# Altium PCB Copy of PCB1.PcbDoc (part 1 of 3)
Units mil, origin at the board's own origin, x right, y up, seen from the top; angles counter-clockwise.
Board outline 7240 x 4675 mil, 2 copper layers (Top Layer, Bottom Layer); 302 components, 122 nets, 3182 pads, 49 vias.
Unrouted connection lines stored in the file: 237.
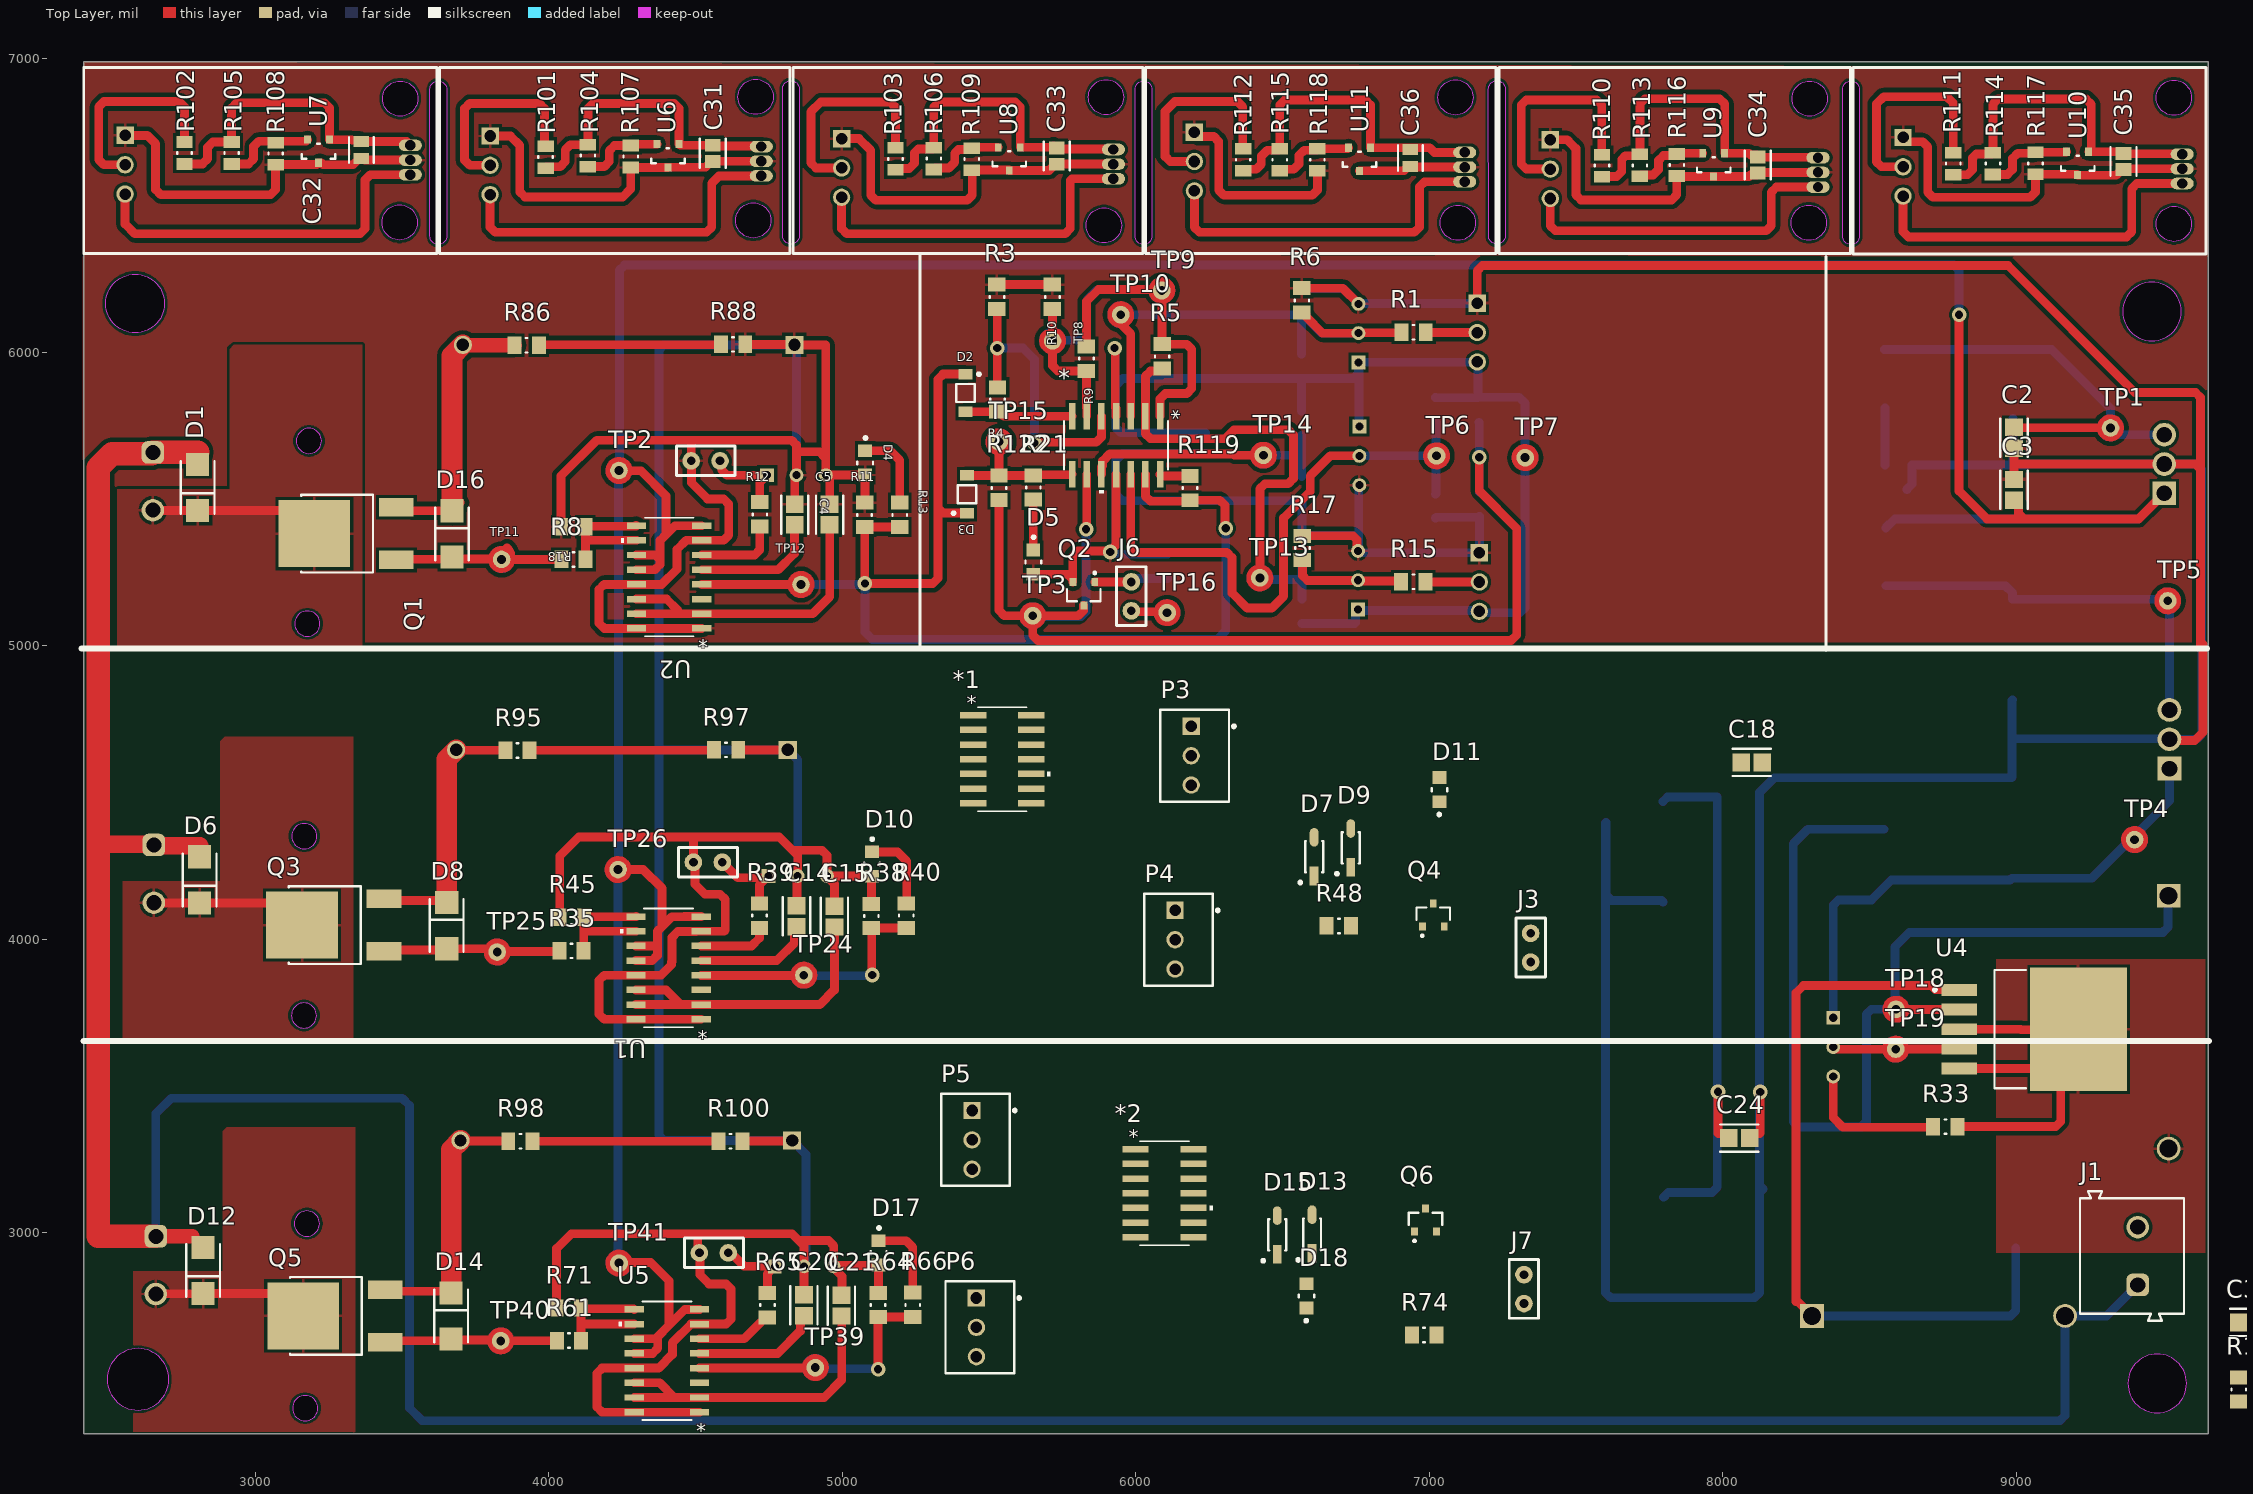
[diagram p0: Top Layer view]
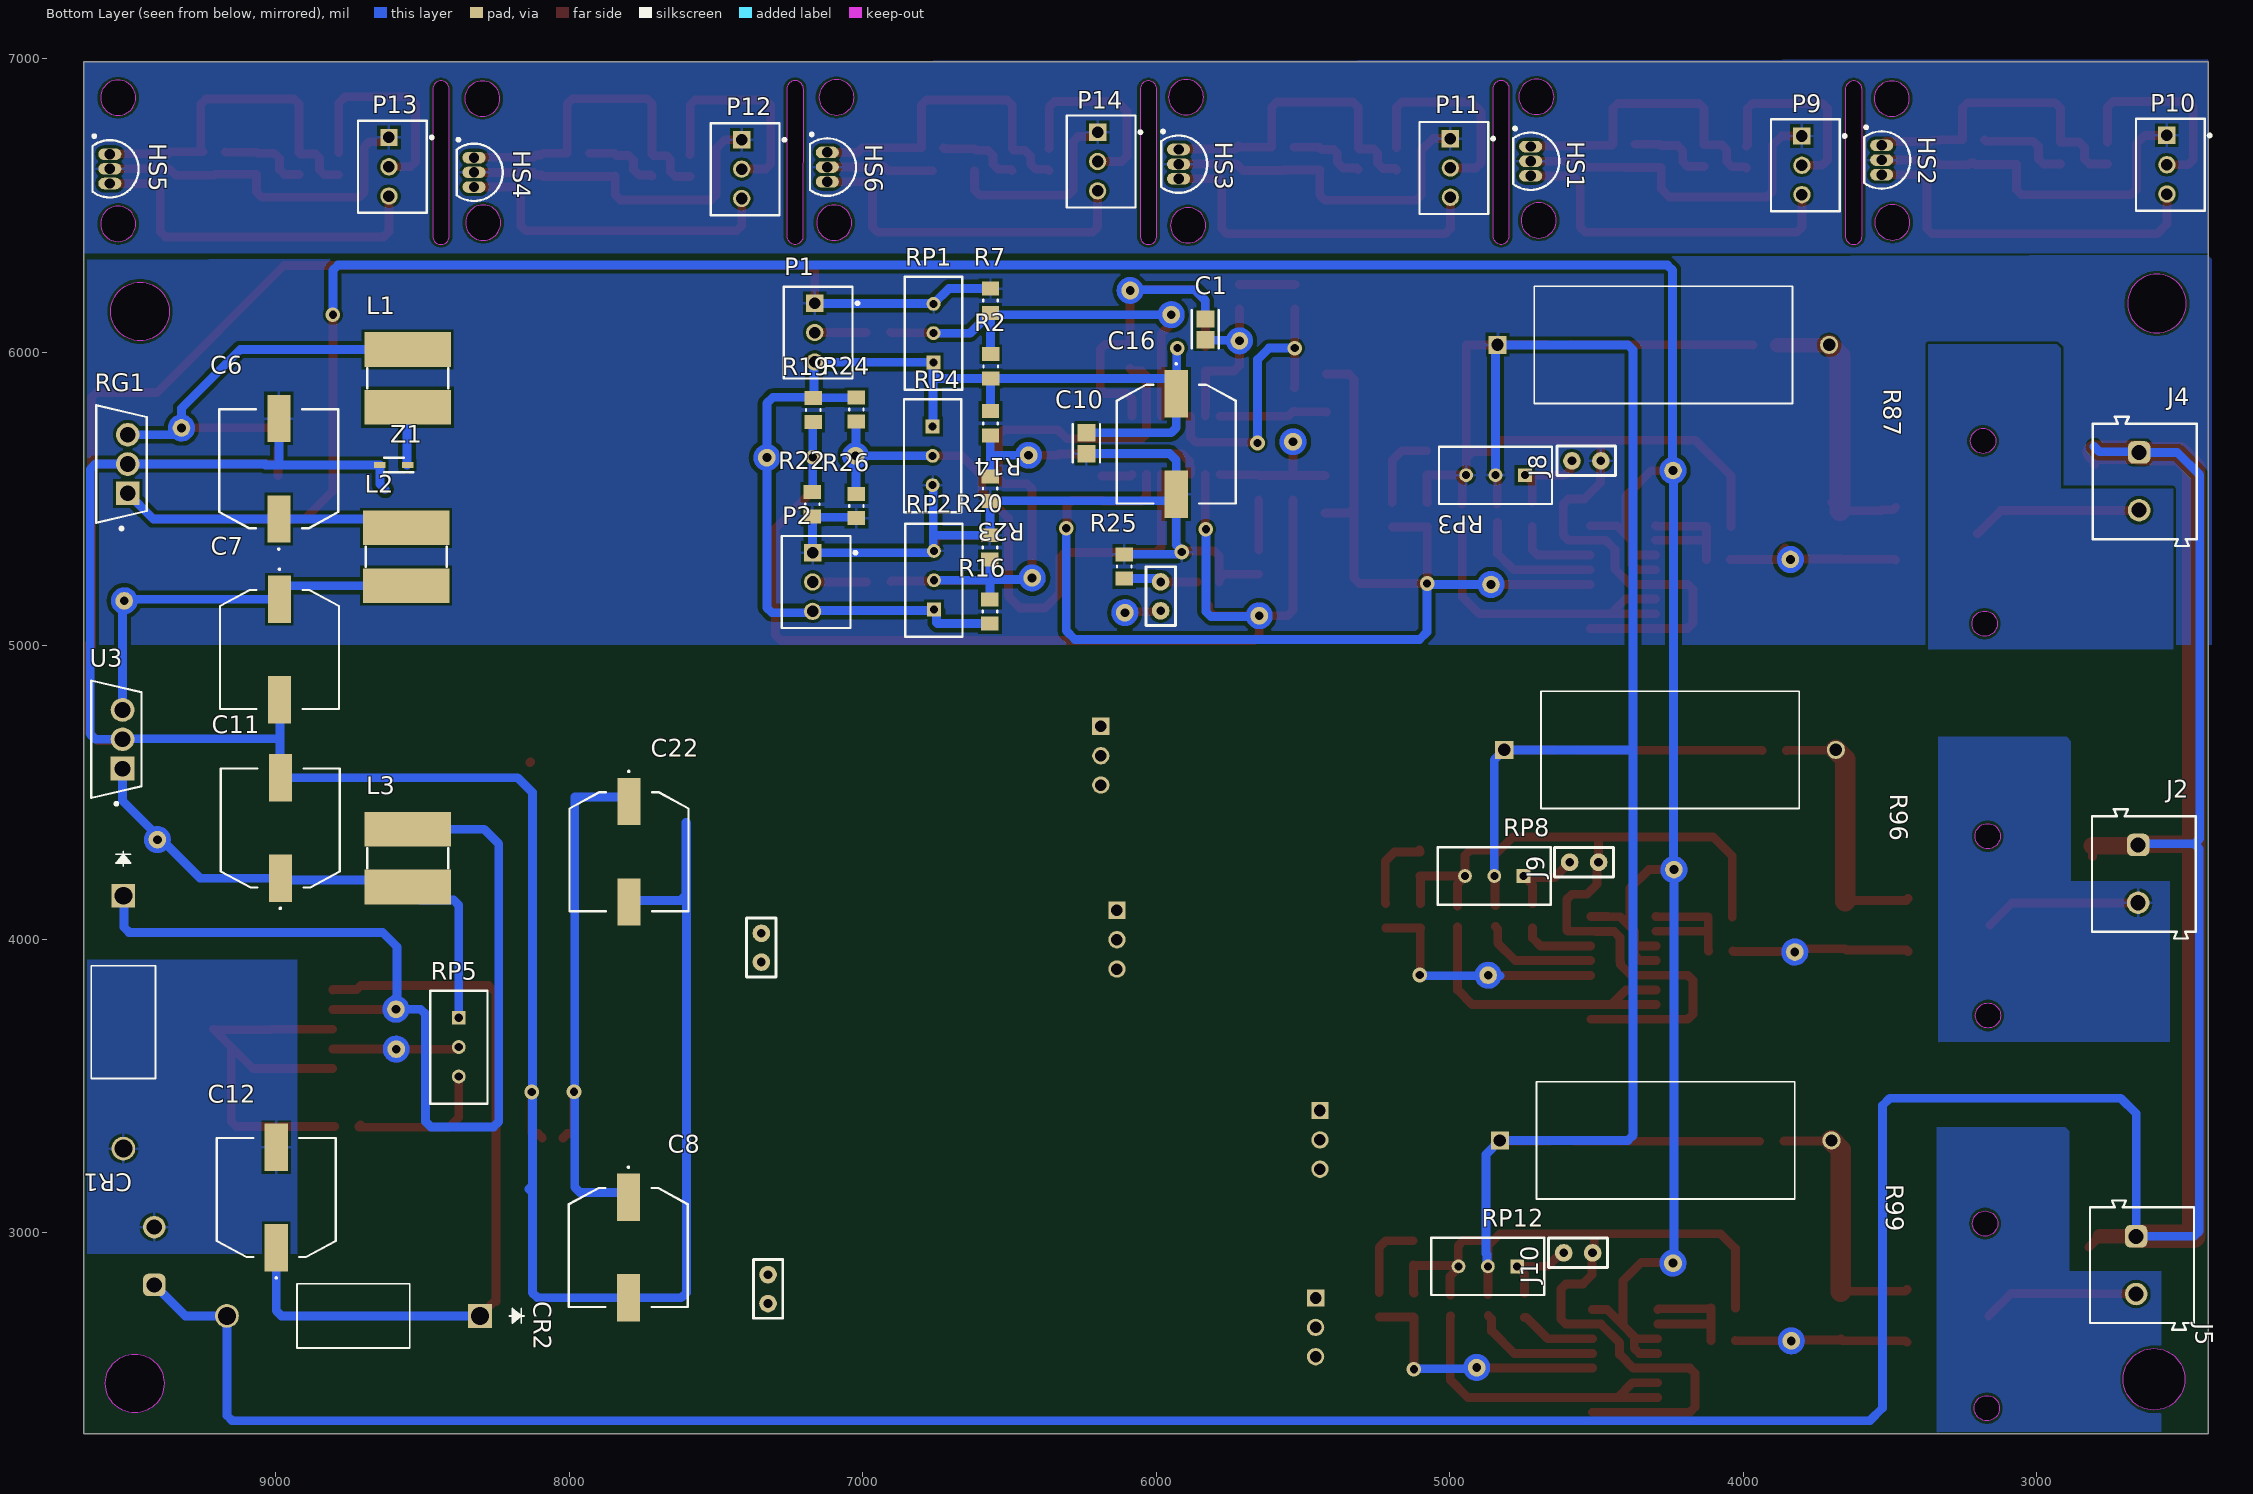
[diagram p1: Bottom Layer view, seen from below]

## Layer stack, top to bottom
Top Solder: solder mask 0.4, Solder Resist, Dk 3.5
Top Layer: signal copper 1.4
Dielectric 1: dielectric 12.6, FR-4, Dk 4.8
Bottom Layer: signal copper 1.4
Bottom Solder: solder mask 0.4, Solder Resist, Dk 3.5

## Board outline
2415,2315 2415,6990 9655,6990 9655,2315
cut-out: 9537.59,6377.32 cw(c9537.59,6437.32) 9477.59,6437.32 cw(c9537.59,6437.32) 9537.59,6497.32 cw(c9537.59,6437.32) 9597.59,6437.32 cw(c9537.59,6437.32)
cut-out: 9537.59,6807.32 cw(c9537.59,6867.32) 9477.59,6867.32 cw(c9537.59,6867.32) 9537.59,6927.32 cw(c9537.59,6867.32) 9597.59,6867.32 cw(c9537.59,6867.32)
cut-out: 8293.59,6381.32 cw(c8293.59,6441.32) 8233.59,6441.32 cw(c8293.59,6441.32) 8293.59,6501.32 cw(c8293.59,6441.32) 8353.59,6441.32 cw(c8293.59,6441.32)
cut-out: 8296.59,6804.32 cw(c8296.59,6864.32) 8236.59,6864.32 cw(c8296.59,6864.32) 8296.59,6924.32 cw(c8296.59,6864.32) 8356.59,6864.32 cw(c8296.59,6864.32)
cut-out: 7097.59,6381.32 cw(c7097.59,6441.32) 7037.59,6441.32 cw(c7097.59,6441.32) 7097.59,6501.32 cw(c7097.59,6441.32) 7157.59,6441.32 cw(c7097.59,6441.32)
cut-out: 7089.59,6808.32 cw(c7089.59,6868.32) 7029.59,6868.32 cw(c7089.59,6868.32) 7089.59,6928.32 cw(c7089.59,6868.32) 7149.59,6868.32 cw(c7089.59,6868.32)
cut-out: 5891.59,6372.32 cw(c5891.59,6432.32) 5831.59,6432.32 cw(c5891.59,6432.32) 5891.59,6492.32 cw(c5891.59,6432.32) 5951.59,6432.32 cw(c5891.59,6432.32)
cut-out: 5898.59,6809.32 cw(c5898.59,6869.32) 5838.59,6869.32 cw(c5898.59,6869.32) 5898.59,6929.32 cw(c5898.59,6869.32) 5958.59,6869.32 cw(c5898.59,6869.32)
cut-out: 4696.59,6389.32 cw(c4696.59,6449.32) 4636.59,6449.32 cw(c4696.59,6449.32) 4696.59,6509.32 cw(c4696.59,6449.32) 4756.59,6449.32 cw(c4696.59,6449.32)
cut-out: 4704.59,6810.32 cw(c4704.59,6870.32) 4644.59,6870.32 cw(c4704.59,6870.32) 4704.59,6930.32 cw(c4704.59,6870.32) 4764.59,6870.32 cw(c4704.59,6870.32)
cut-out: 3491.59,6382.32 cw(c3491.59,6442.32) 3431.59,6442.32 cw(c3491.59,6442.32) 3491.59,6502.32 cw(c3491.59,6442.32) 3551.59,6442.32 cw(c3491.59,6442.32)
cut-out: 3493.59,6804.32 cw(c3493.59,6864.32) 3433.59,6864.32 cw(c3493.59,6864.32) 3493.59,6924.32 cw(c3493.59,6864.32) 3553.59,6864.32 cw(c3493.59,6864.32)
cut-out: 8409.22,6395.79 8409.18,6896.02 cw(c8437.65,6896.02) 8466.12,6895.93 8466.17,6395.79 cw(c8437.69,6395.79)
cut-out: 7202.22,6396.79 7202.18,6897.02 cw(c7230.65,6897.02) 7259.12,6896.93 7259.17,6396.79 cw(c7230.69,6396.79)
cut-out: 5998.22,6395.79 5998.18,6896.02 cw(c6026.65,6896.02) 6055.12,6895.93 6055.17,6395.79 cw(c6026.69,6395.79)
cut-out: 4796.42,6396.79 4796.38,6897.02 cw(c4824.85,6897.02) 4853.32,6896.93 4853.37,6396.79 cw(c4824.89,6396.79)
cut-out: 3594.72,6395.79 3594.68,6896.02 cw(c3623.15,6896.02) 3651.62,6895.93 3651.67,6395.79 cw(c3623.19,6395.79)
cut-out: 9381,2486 ccw(c9481,2486) 9481,2386 ccw(c9481,2486) 9581,2486 ccw(c9481,2486) 9481,2586 ccw(c9481,2486)
cut-out: 9363,6139 ccw(c9463,6139) 9463,6039 ccw(c9463,6139) 9563,6139 ccw(c9463,6139) 9463,6239 ccw(c9463,6139)
cut-out: 3132.53,3030.74 ccw(c3175.54,3030.74) 3175.54,2987.73 ccw(c3175.54,3030.74) 3218.55,3030.74 ccw(c3175.54,3030.74) 3175.54,3073.75 ccw(c3175.54,3030.74)
cut-out: 3122.53,3739.74 ccw(c3165.54,3739.74) 3165.54,3696.73 ccw(c3165.54,3739.74) 3208.55,3739.74 ccw(c3165.54,3739.74) 3165.54,3782.75 ccw(c3165.54,3739.74)
cut-out: 3126.53,2401.74 ccw(c3169.54,2401.74) 3169.54,2358.73 ccw(c3169.54,2401.74) 3212.55,2401.74 ccw(c3169.54,2401.74) 3169.54,2444.75 ccw(c3169.54,2401.74)
cut-out: 3123.53,4350.74 ccw(c3166.54,4350.74) 3166.54,4307.73 ccw(c3166.54,4350.74) 3209.55,4350.74 ccw(c3166.54,4350.74) 3166.54,4393.75 ccw(c3166.54,4350.74)
cut-out: 3139.53,5697.74 ccw(c3182.54,5697.74) 3182.54,5654.73 ccw(c3182.54,5697.74) 3225.55,5697.74 ccw(c3182.54,5697.74) 3182.54,5740.75 ccw(c3182.54,5697.74)
cut-out: 2590,6066 cw(c2590,6166) 2490,6166 cw(c2590,6166) 2590,6266 cw(c2590,6166) 2690,6166 cw(c2590,6166)
cut-out: 2494.88,2500 ccw(c2600,2500) 2600,2394.88 ccw(c2600,2500) 2705.12,2500 ccw(c2600,2500) 2600,2605.12 ccw(c2600,2500)
cut-out: 3133.99,5075 ccw(c3177,5075) 3177,5031.99 ccw(c3177,5075) 3220.01,5075 ccw(c3177,5075) 3177,5118.01 ccw(c3177,5075)

## Design rules (kind name [scope] priority, off if disabled: settings)
Clearance GIroAMp [All] p1: gap=10 ignorepadtopadclearanceinfootprint=FALSE except(0: Arc-Hole Track-Hole SMDPad-Hole THPad-Hole Via-Hole Fill-Hole Poly-Hole Region-Hole Text-Hole; 13: Arc-THPad Track-THPad; 15: Arc-Via Arc-Fill Arc-Poly Arc-Region Track-Via Track-Fill Track-Poly Track-Region; 20: Arc-Arc Arc-Track Track-Track)
Clearance [All] p2: gap=10 ignorepadtopadclearanceinfootprint=FALSE except(0: Arc-Hole Track-Hole SMDPad-Hole THPad-Hole Via-Hole Fill-Hole Poly-Hole Region-Hole Text-Hole; 13: Track-THPad)
PolygonConnect [All] p1: connectstyle=Relief reliefconductorwidth=10 reliefentries=4 polygonreliefangle="90 Angle" airgapwidth=10
RoomDefinition levit_0.1 [InComponentClass('levit_0.1 ')] p1: confinementstyle=ConfineIn formatcopy=TRUE lockcomponents=FALSE outline 574,10579 29224,10579 29224,1361 574,1361
RoutingVias [All] p1: holewidth=28 width=50 viastyle="Through Hole" minholewidth=28 minwidth=50 maxholewidth=28 maxwidth=50
SolderMaskExpansion [All] p1: expansion=4 istentingtop=FALSE
UnRoutedNet [All] p1: checkbadconnections=TRUE
Width [All] p1: maxlimit=90 minlimit=20 preferedwidth=30 minimp=50.000000 maximp=50.000000 favimp=50.000000
29 further rules are at their usual default settings.

## Components (designator, comment, footprint, x,y, rotation, side; value= is the part's Value field where it differs from the comment)
* "LM324AD_SOIC14" D14-M 5933,5683 r270 top
*1 "LM324AD_SOIC14" D14-M 5545.03,4613 r0 top
*2 "LM324AD_SOIC14" D14-M 6097.97,3134 r0 top
C1 "1u" KEMET_C0805C-DN_IPC_A 5833,6078 r270 bottom
C2 "10n" KEMET_C0805C-DN_IPC_A 8993,5708.54 r270 top value=10uF
C3 "100n" KEMET_C0805C-DN_IPC_A 8993,5531 r90 top value=10uF
C4 "UWX1E101MCL1GB" KEMET_C0805C-DN_IPC_A 4838,5447 r270 top
C5 "UWX1E101MCL1GB" KEMET_C0805C-DN_IPC_A 4957,5447 r90 top
C6 "EEE1HA101AP" EEEFK1V331P 8990,5603 r180 bottom
C7 "EEE1HA101AP" EEEFK1V331P 8988,4987 r0 bottom
C8 "EEE1HA101AP" EEEFK1V331P 7799,2949 r0 bottom
C9 "1u" KEMET_C0805C-DN_IPC_A 11710,3425 r0 top
C10 "1u" KEMET_C0805C-DN_IPC_A 6238,5690 r90 bottom
C11 "EEE1HA101AP" EEEFK1V331P 8985,4378.74 r180 bottom
C12 "EEE1HA101AP" EEEFK1V331P 8999,3119.26 r180 bottom
C13 "1u" KEMET_C0805C-DN_IPC_A 21732.46,2955 r0 top
C14 "UWX1E101MCL1GB" KEMET_C0805C-DN_IPC_A 4844,4078 r270 top
C15 "UWX1E101MCL1GB" KEMET_C0805C-DN_IPC_A 4973,4077 r90 top
C16 "EEE1HA101AP" EEEFK1V331P 5932,5687 r0 bottom
C17 "1u" KEMET_C0805C-DN_IPC_A 21043.46,2478 r0 top
C18 "1u" KEMET_C0805C-DN_IPC_A 8099,4602 r180 top
C19 "1u" KEMET_C0805C-DN_IPC_A 21366.46,2586 r0 top
C20 "UWX1E101MCL1GB" KEMET_C0805C-DN_IPC_A 4869,2752.54 r270 top
C21 "UWX1E101MCL1GB" KEMET_C0805C-DN_IPC_A 4997,2751 r90 top
C22 "EEE1HA101AP" EEEFK1V331P 7797,4297.74 r0 bottom
C23 "1u" KEMET_C0805C-DN_IPC_A 21695,2498 r0 top
C24 "1u" KEMET_C0805C-DN_IPC_A 8057,3322 r180 top
C25 "100pF" KEMET_C0805C-DN_IPC_A 21235,2918 r0 top
C26 "100pF" KEMET_C0805C-DN_IPC_A 21031,2858 r0 top
C27 "100pF" KEMET_C0805C-DN_IPC_A 20757,2830 r0 top
C28 "100pF" KEMET_C0805C-DN_IPC_A 26181,3209 r90 top
C29 "100pF" KEMET_C0805C-DN_IPC_A 26181,3439 r90 top
C30 "100pF" KEMET_C0805C-DN_IPC_A 26181,3669 r90 top
C31 "0.1uF" KEMET_C0805C-DN_IPC_C 4559,6678 r90 top
C32 "0.1uF" KEMET_C0805C-DN_MFG 3361,6689 r90 top
C33 "0.1uF" KEMET_C0805C-DN_IPC_C 5731,6668.41 r90 top
C34 "0.1uF" KEMET_C0805C-DN_IPC_C 8120,6638 r90 top
C35 "0.1uF" KEMET_C0805C-DN_IPC_C 9366,6650 r90 top
C36 "0.1uF" KEMET_C0805C-DN_MFG 6936,6662 r90 top
C37 "100pF" KEMET_C0805C-DN_IPC_A 10255,2694 r0 top
C38 "100pF" KEMET_C0805C-DN_IPC_A 10024,2694 r0 top
C39 "100pF" KEMET_C0805C-DN_IPC_A 9794,2694 r0 top
CR1 "1N5822RL" DO-201AD_STM 9520,4148 r270 bottom
CR2 "1N5822RL" DO-201AD_STM 8305,2716 r0 bottom
D1 "SS16" ON_Semi_403D_MFG 2803,5539 r90 top
D2 "1N4148W-7-F" ONSC-SOD-123-2-425-04_V 5420,5861 r270 top
D3 "1N4148W-7-F" ONSC-SOD-123-2-425-04_V 5425,5516 r90 top
D4 "LED2" Wurth_Electronics_0_MFG 5078,5623 r270 top
D5 "LED2" Wurth_Electronics_0_MFG 5651,5285 r270 top
D6 "SS16" ON_Semi_403D_MFG 2810,4202 r90 top
D7 "1N4148W-7-F" Vishay_S8-V-3910_01-001_IPC_A 6608,4281 r90 top
D8 "SS16" ON_Semi_403D_MFG 3652,4046 r270 top
D9 "1N4148W-7-F" Vishay_S8-V-3910_01-001_IPC_A 6733,4311 r90 top
D10 "LED2" Wurth_Electronics_0_MFG 5101,4256 r270 top
D11 "LED2" Wurth_Electronics_0_MFG 7035,4509.34 r90 top
D12 "SS16" ON_Semi_403D_MFG 2822,2871 r90 top
D13 "1N4148W-7-F" Vishay_S8-V-3910_01-001_IPC_A 6601,2995 r90 top
D14 "SS16" ON_Semi_403D_MFG 3667,2716 r270 top
D15 "1N4148W-7-F" Vishay_S8-V-3910_01-001_IPC_A 6482,2992 r90 top
D16 "SS16" ON_Semi_403D_MFG 3670,5381 r270 top
D17 "LED2" Wurth_Electronics_0_MFG 5124,2931 r270 top
D18 "LED2" Wurth_Electronics_0_MFG 6582,2784.34 r90 top
D19 "1N4148W-7-F" Vishay_S8-V-3910_01-001_IPC_A 10858,3247.97 r90 top
D20 "1N4148W-7-F" Vishay_S8-V-3910_01-001_IPC_A 10358,2243 r90 top
D21 "1N4148W-7-F" Vishay_S8-V-3910_01-001_IPC_A 11028,2266 r90 top
HS1 "Hall_Sensor" TO-92A 4724,6651 r0 bottom
HS2 "Hall_Sensor" TO-92A 3528,6655 r0 bottom
HS3 "Hall_Sensor" TO-92A 5924,6641 r0 bottom
HS4 "Hall_Sensor" TO-92A 8325,6613 r0 bottom
HS5 "Hall_Sensor" TO-92A 9566,6625 r0 bottom
HS6 "Hall_Sensor" TO-92A 7121,6631 r0 bottom
J1 "691103110003" 691101710002 9395,2920 r90 top
J2 "691101710002" 691101710002 2634.31,4222.42 r270 bottom
J3 "Jumper 1x2.54" Jumper_2.54 7346,3921.57 r90 top
J4 "691101710002" 691101710002 2631,5560 r270 bottom
J5 "691101710002" 691101710002 2641,2889 r270 bottom
J6 "Jumper 1x2.54" Jumper_2.54 5985,5119 r90 top
J7 "Jumper 1x2.54" Jumper_2.54 7323,2758 r90 top
J8 "Jumper 1x2.54" Jumper_2.54 4485,5630 r0 bottom
J9 "Jumper 1x2.54" Jumper_2.54 4492.57,4262 r0 bottom
J10 "Jumper 1x2.54" Jumper_2.54 4513,2931 r0 bottom
L1 "7445720" WE-PD2-L 8551,5911 r270 bottom
L2 "7445720" WE-PD2-L 8556,5303 r90 bottom
L3 "7445720" WE-PD2-L 8551,4276 r270 bottom
P1 "61900311121" 61900311121 7152,6067 r90 bottom
P2 "61900311121" 61900311121 7159.19,5217 r90 bottom
P3 "61900311121" 61900311121 6200.81,4625 r90 top
P4 "61900311121" 61900311121 6145.81,3998 r90 top
P5 "61900311121" 61900311121 5454,3316 r90 top
P6 "61900311121" 61900311121 5468.81,2677 r90 top
P7 "61900811121" 61900811121 24220,3044 r90 top
P8 "61900811121" 61900811121 25067.81,3071 r90 top
P9 "61900311121" 61900311121 3788,6637 r90 bottom
P10 "61900311121" 61900311121 2544.19,6639 r90 bottom
P11 "61900311121" 61900311121 4986,6628 r90 bottom
P12 "61900311121" 61900311121 7401,6624 r90 bottom
P13 "61900311121" 61900311121 8603.19,6632 r90 bottom
P14 "61900311121" 61900311121 6188,6650 r90 bottom
Q1 "IRLR2905TRPBF" On_Semiconductor_369C_MFG 3310.84,5382 r90 top
Q2 "BC847B,215" BC847B215 5823,5177 r180 top
Q3 "IRLR2905TRPBF" On_Semiconductor_369C_MFG 3268.84,4048 r90 top
Q4 "BC847B,215" BC847B215 7014,4082 r0 top
Q5 "IRLR2905TRPBF" On_Semiconductor_369C_MFG 3272.84,2716 r90 top
Q6 "BC847B,215" BC847B215 6987.4,3042.37 r0 top
R1 "50k" Vishay_CRCW0805-e3_IPC_A 6947,6068 r180 top
R2 "47k" Vishay_CRCW0805-e3_IPC_A 6564,5952 r270 bottom
R3 "1k" Vishay_CRCW0805-e3_IPC_A 5527,6189 r90 top
R4 "100k" Vishay_CRCW0805-e3_IPC_A 5529,5839 r90 top
R5 "100k" Vishay_CRCW0805-e3_IPC_A 6090,5986 r90 top
R6 "50k" Vishay_CRCW0805-e3_IPC_A 6566,6177 r90 top
R7 "47k" Vishay_CRCW0805-e3_IPC_A 6565,6175.63 r270 bottom
R8 "100" Vishay_CRCW0805-e3_IPC_A 4084,5294 r0 top
R9 "10k" Vishay_CRCW0805-e3_IPC_A 5832,5978 r90 top
R10 "1k" Vishay_CRCW0805-e3_IPC_A 5716,6189 r90 top
R11 "100k" Vishay_CRCW0805-e3_IPC_A 5076,5446 r90 top
R12 "1k" Vishay_CRCW0805-e3_IPC_A 4719,5447.63 r90 top
R13 "1k" Vishay_CRCW0805-e3_IPC_A 5196,5446 r270 top
R14 "10k" Vishay_CRCW0805-e3_IPC_A 6565,5758 r270 bottom
R15 "50k" Vishay_CRCW0805-e3_IPC_A 6946,5218 r180 top
R16 "47k" Vishay_CRCW0805-e3_IPC_A 6567,5116.63 r270 bottom
R17 "50k" Vishay_CRCW0805-e3_IPC_A 6568,5333 r90 top
R18 "50k" Vishay_CRCW0805-e3_IPC_A 4083,5405 r0 top
R19 "10k" Vishay_CRCW0805-e3_IPC_A 7169,5803 r270 bottom
R20 "47k" Vishay_CRCW0805-e3_IPC_A 6567,5335 r90 bottom
R21 "1k" Vishay_CRCW0805-e3_IPC_A 5651,5539 r90 top
R22 "47k" Vishay_CRCW0805-e3_IPC_A 7172,5482 r90 bottom
R23 "1k" Vishay_CRCW0805-e3_IPC_A 6566,5535 r90 bottom
R24 "1k" Vishay_CRCW0805-e3_IPC_A 7022,5804.63 r90 bottom
R25 "51k" Vishay_CRCW0805-e3_IPC_A 6109,5270 r270 bottom
R26 "10k" Vishay_CRCW0805-e3_IPC_A 7022,5476 r270 bottom
R27 "100k" Vishay_CRCW0805-e3_IPC_A 18903,5481 r0 top
R28 "50k" Vishay_CRCW0805-e3_IPC_A 18673,5481 r0 top
R29 "47k" Vishay_CRCW0805-e3_IPC_A 18442,5481 r0 top
R30 "1k" Vishay_CRCW0805-e3_IPC_A 17985,5481 r0 top
R31 "100k" Vishay_CRCW0805-e3_IPC_A 18215,5481 r0 top
R32 "50k" Vishay_CRCW0805-e3_IPC_A 17754,5481 r0 top
R33 "1k" Vishay_CRCW0805-e3_IPC_A 8759,3361 r180 top
R34 "47k" Vishay_CRCW0805-e3_IPC_A 19507.37,5111 r0 top
R35 "100" Vishay_CRCW0805-e3_IPC_A 4077,3960 r0 top
R36 "10k" Vishay_CRCW0805-e3_IPC_A 19273.37,5119 r0 top
R37 "1k" Vishay_CRCW0805-e3_IPC_A 19042.37,5119 r0 top
R38 "100k" Vishay_CRCW0805-e3_IPC_A 5099,4079 r90 top
R39 "1k" Vishay_CRCW0805-e3_IPC_A 4718,4080 r90 top
R40 "1k" Vishay_CRCW0805-e3_IPC_A 5218,4080 r270 top
R41 "10k" Vishay_CRCW0805-e3_IPC_A 18785,5104 r0 top
R42 "50k" Vishay_CRCW0805-e3_IPC_A 18555,5104 r0 top
R43 "47k" Vishay_CRCW0805-e3_IPC_A 18324,5104 r0 top
R44 "50k" Vishay_CRCW0805-e3_IPC_A 18069,5119 r0 top
R45 "50k" Vishay_CRCW0805-e3_IPC_A 4078.63,4075 r0 top
R46 "9.1k" Vishay_CRCW0805-e3_IPC_A 17714,5126 r0 top
R47 "47k" Vishay_CRCW0805-e3_IPC_A 19763,5099 r0 top
R48 "1k" Vishay_CRCW0805-e3_IPC_A 6692,4045 r0 top
R49 "10k" Vishay_CRCW0805-e3_IPC_A 20732,5103 r0 top
R50 "1k" Vishay_CRCW0805-e3_IPC_A 20962,5103 r0 top
R51 "1k" Vishay_CRCW0805-e3_IPC_A 20497,5103 r0 top
R52 "51k" Vishay_CRCW0805-e3_IPC_A 20267,5103 r0 top
R53 "10k" Vishay_CRCW0805-e3_IPC_A 20024,5109 r0 top
R54 "100k" Vishay_CRCW0805-e3_IPC_A 22384,5065 r0 top
R55 "50k" Vishay_CRCW0805-e3_IPC_A 22154,5065 r0 top
R56 "47k" Vishay_CRCW0805-e3_IPC_A 21924,5065 r0 top
R57 "1k" Vishay_CRCW0805-e3_IPC_A 21463,5065 r0 top
R58 "100k" Vishay_CRCW0805-e3_IPC_A 21693,5065 r0 top
R59 "50k" Vishay_CRCW0805-e3_IPC_A 21233,5065 r0 top